# KiCad board panel-main.kicad_pcb (continued)
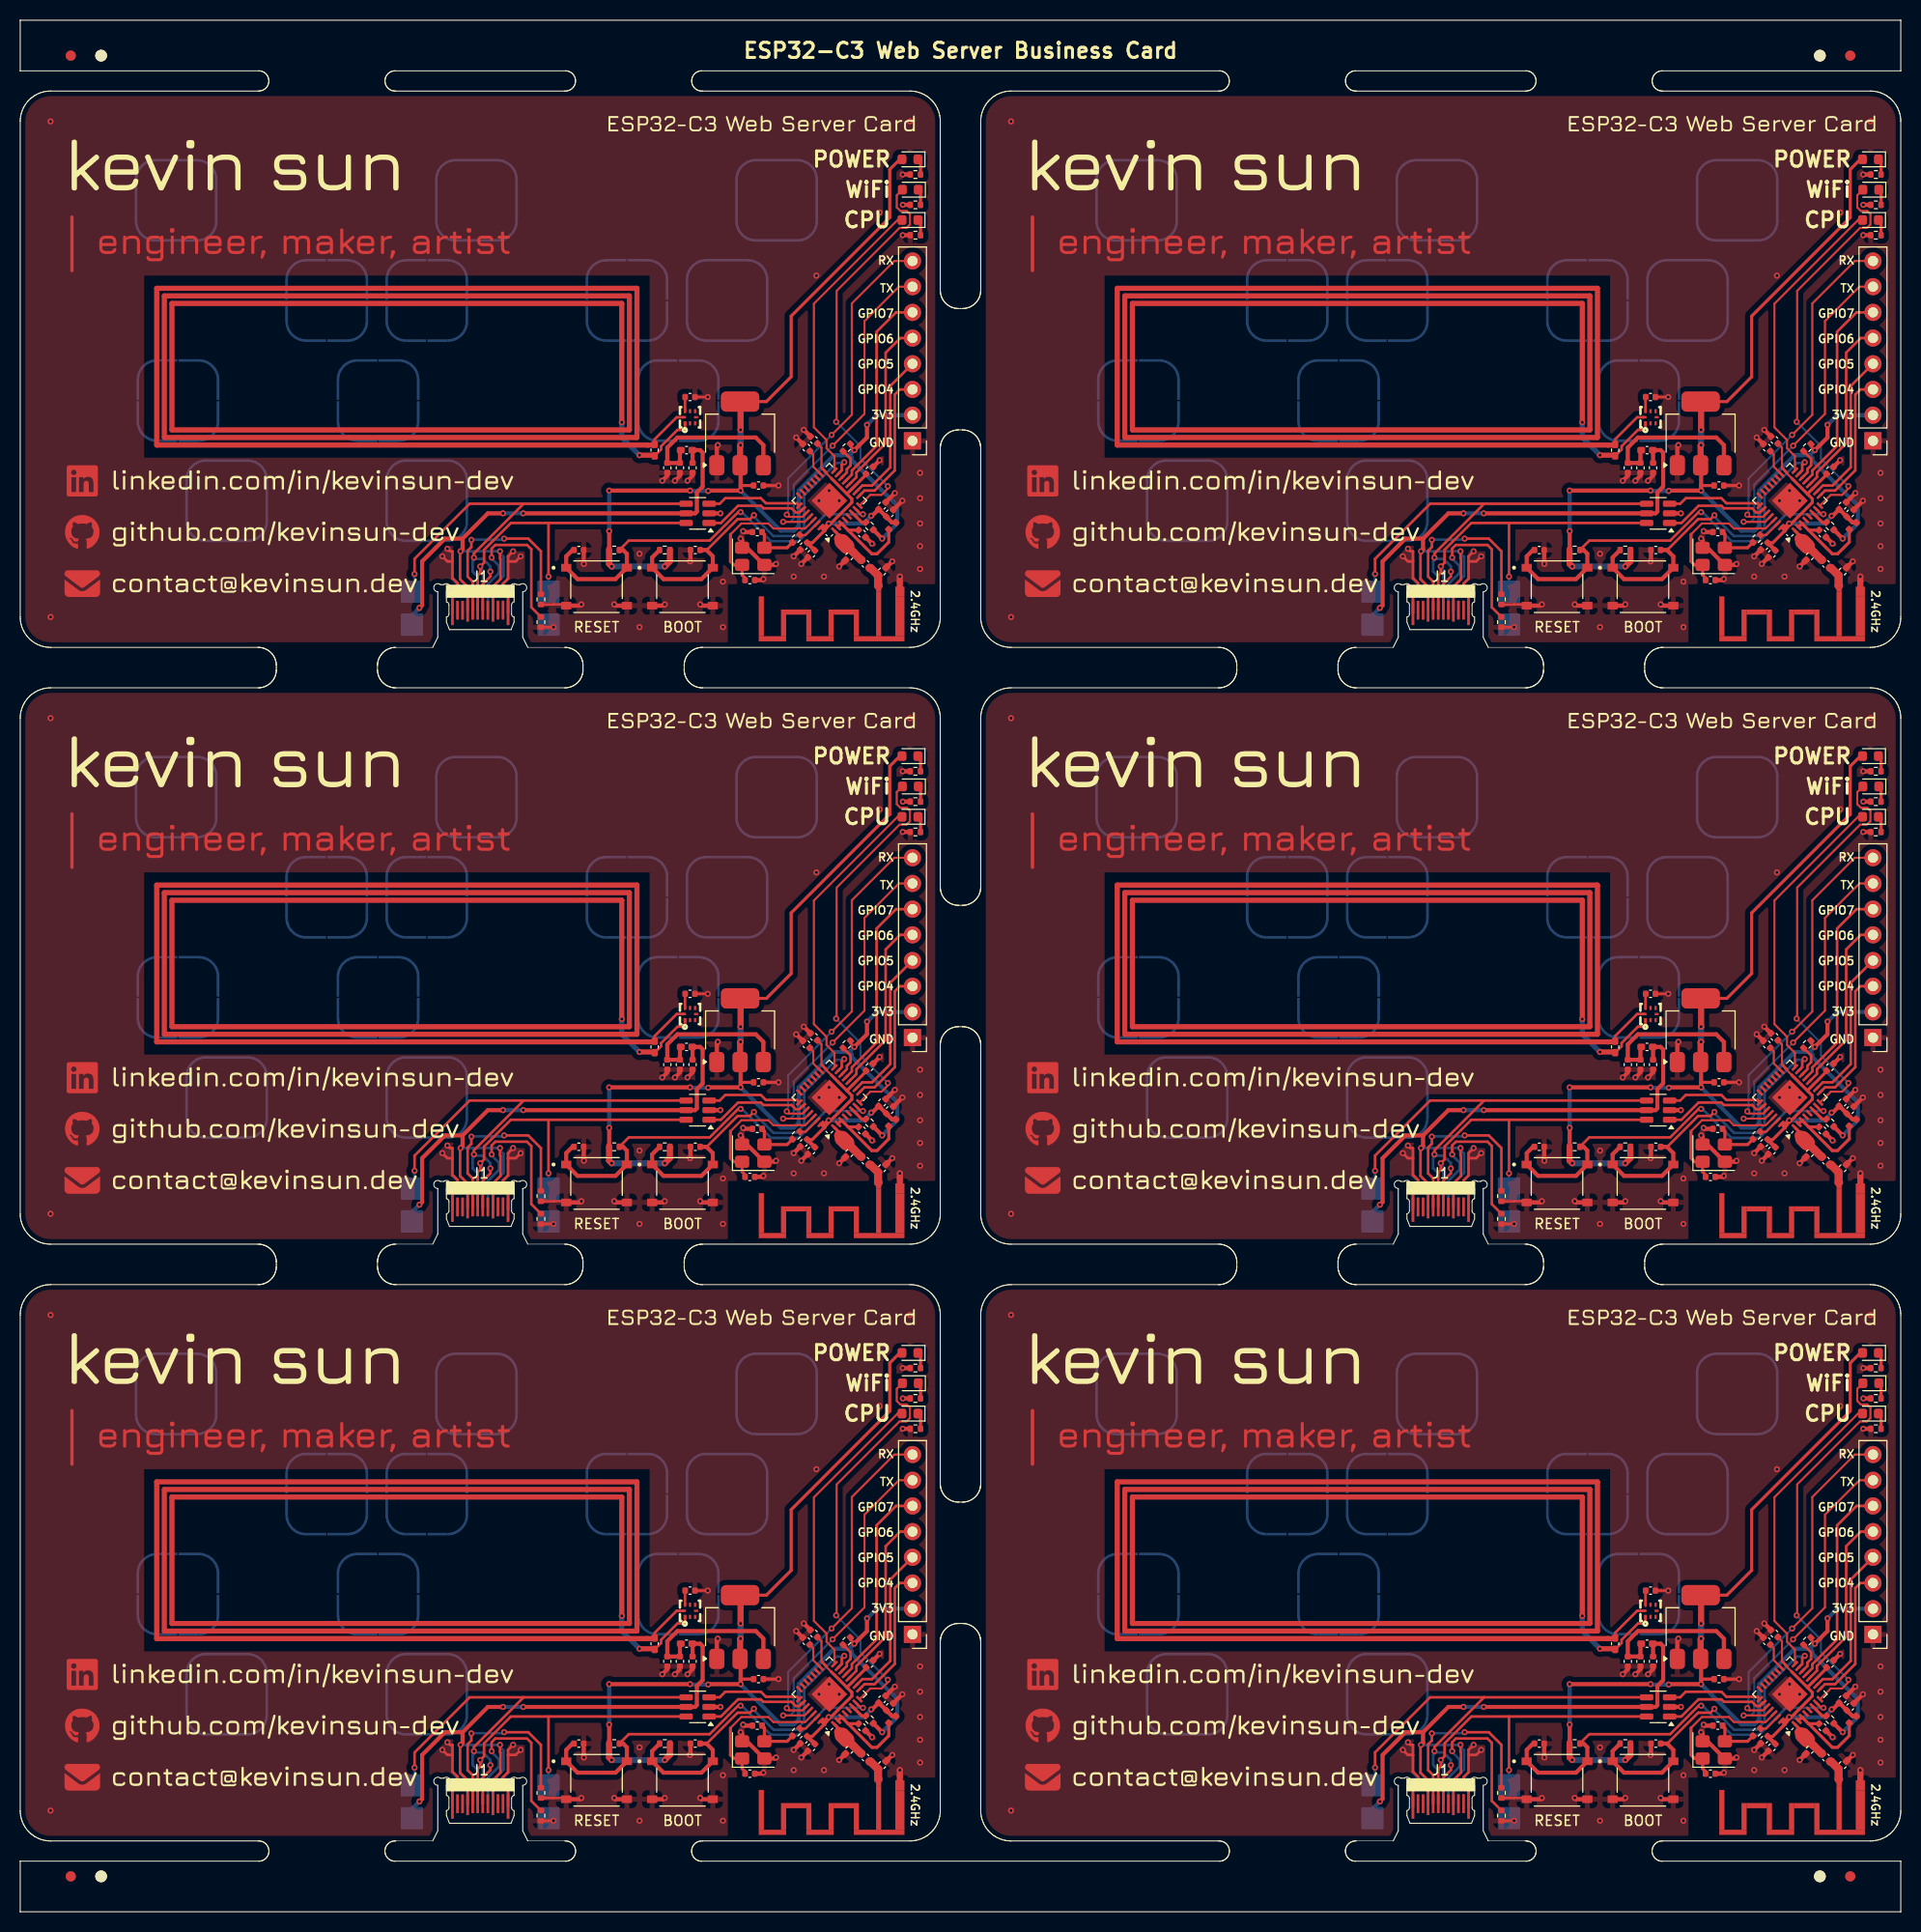
[diagram p0: board, top side]
## Routing (per net, layer and track width the routed paths; a pad name or vN(x,y) marks a point on that pad's centre or on a via; arc(x,y) is an arc through that point) (continued)
  Top w0.6: AE1#5.2 v1(182,73)
  Bottom w0.25: 143.25,74.5 144,74.5 v1(144.5,75) ; 143.25,74.5 143.25,75 v1(143.75,75.5) ; 143.25,74.5 143.25,72.75 142.75,72.25 142.75,71.5 143.25,71 143.25,69.4 ; 137.75,69.4 137.75,69.4 137.75,71 138.5,71.75 138.5,72 137.75,72.75 137.75,74.5 ; 137.75,74.5 137.25,74.5 v1(136.75,75) ; 137.75,74.5 137.75,75.5 137.5,75.5 v1(137.25,75.75)
  vias: v1(98,118) v1(98,69) v1(156.25,75.25) v1(156.25,68) v1(164.5,72.5) v1(164.5,68) v1(171.5,73) v1(173.75,102.75) v1(174,80.5) v1(174.5,73) v1(175,81.5) v1(176,80.5) v1(180,109) v1(183,118) v1(184,83.25) v1(184,80.75) v1(184,78.25) v1(184,76) v1(184,73.75)
Board_3-Net-(AE1-FEED): length 2.2
  Top w0.8: 179.9,72.1 179.85,72.1 C11#3.1 179.1,73.85 L2#6.2
Board_3-Net-(C1-Pad1): length 9.2
  Top w0.3: 176.89,77.59 C1#5.1 ; 176.89,77.59 179.22,75.25 179.75,75.25 180.91,76.41 L1#6.2 ; 176.89,77.59 U1#5.3 U1#5.2
Board_3-Net-(C10-Pad1): length 4.7
  Top w0.3: R5#4.2 170.85,75.85 Y1#2.3 168.6,77.18 C10#6.1
Board_3-Net-(D1-K): length 1.6
  Top w0.3: R8#2.1 184.05,113.99 D1#5.1
Board_3-Net-(D2-K): length 1.6
  Top w0.3: D2.1 184.05,111.03 R9#6.1
Board_3-Net-(D3-K): length 1.6
  Top w0.3: D3#3.1 184.05,107.99 R10#3.1
Board_3-Net-(J1-CC1): length 19
  Top w0.25: v1(139.62,76.63) 139.62,75.92 139.28,75.58 139.28,75.48 139.25,75.46 139.25,73 139.75,72.5 139.75,69.68 ; v1(142.86,76.75) 145.25,76.75 146.5,75.5 R1#4.2
  Bottom w0.25: v1(142.86,76.75) 142.76,76.65 139.64,76.65 v1(139.62,76.63)
Board_3-Net-(J1-CC2): length 18.2
  Top w0.25: v1(141.63,74.88) 141.62,74.88 141.62,75.76 141.99,76.13 145.12,76.13 145.55,75.7 145.55,69.96 R2#3.1
  Bottom w0.25: 141.25,69.68 141.25,72.25 142.35,73.35 142.35,74.07 141.63,74.78 v1(141.63,74.88)
Board_3-Net-(J1-D+-PadA6): length 38.5
  Top w0.25: 147.25,78.3 143.53,78.3 140.88,75.65 140.88,74.38 v1(140.5,74) 140.5,73.38 140.25,73.13 140.25,69.68 ; 147.25,78.3 v1(147.25,73) ; 147.25,78.3 U3#5.6
  Bottom w0.25: v1(147.25,73) 147.25,71.5 ; v1(140.5,74) 140.5,73.88 140.75,73.63 140.75,69.68
Board_3-Net-(J1-D--PadA7): length 51.9
  Top w0.25: 144.79,80.2 139.88,75.29 v1(139.88,74.88) ; 144.79,80.2 139.45,80.2 134,74.75 v1(134,73.25) ; 144.79,80.2 U3#5.4 ; 140.75,69.68 140.75,72.25 141.5,73 v1(141.5,73.49)
  Bottom w0.25: 140.25,69.68 140.25,73 139.75,73.5 139.75,74.5 139.88,74.63 v1(139.88,74.88) 140,74.75 140.76,74.75 141.13,74.38 141.13,74.38 141.5,74.01 v1(141.5,73.49) ; v1(134,73.25) 134,71.75 133.75,71.5
Board_3-Net-(U2-LA): length 371.4
  Top w0.25: C19.1 158.39,85.57 158.39,85.88 160.01,87.5 160.75,87.5 U2#2.1
  Top w0.5: v1(154.5,88.25) 154.5,100 110,100 110,87.5 155.25,87.5 155.25,100.75 109.25,100.75 109.25,86.75 156,86.75 156,101.5 108.5,101.5 108.5,86 157.04,86 157.04,86 157.74,86 ; v1(156.25,85) 157.75,85
  Bottom w0.5: v1(156.25,85) 154.5,86.75 v1(154.5,88.25)
Board_3-Net-(U2-LB): length 4.3
  Top w0.25: C19.2 157.75,86.58 159.92,88.75 U2#2.8
Board_3-Net-(U2-VOUT): length 1.4
  Top w0.25: C20#5.1 160.75,90.73 U2#2.7
Board_3-Net-(U4-VI): length 16.7
  Top w0.4: L3#6.2 160.25,85.42 C14#6.1 C15#6.1 159,85.75 160,86.75 167.75,86.75 168.5,86 U4#2.3 168.75,84.25 ; 168.5,83.21 168.54,83.25
Board_3-unconnected-(U1-SPIHD-Pad19): length 0.1
  Top w0.2: U1#5.19 173.73,82.77
Board_4-+3.3V: length 26.4
  Top w0.2: C6#2.1 79.25,26.75 79.25,24.76 U1#6.17 79.54,24.4 80.22,23.72
  Top w0.3: 81.77,22.17 81.77,22.19 U1#6.11 83.66,24.08 C5#2.1 ; 81.77,22.17 82.25,21.69 82.25,21.32 79.54,18.61 U1#6.32 ; 81.77,22.17 80.22,23.72 ; U1#6.32 78.34,17.34 C7#6.1 ; U1#6.32 U1#6.31
  Top w0.4: v1(79.96,19.24) 79.54,18.82 U1#6.32 ; C8#4.1 C7#6.1 ; L1.1 86.23,19.34 C2#6.1 C3#5.1 84.25,20 v1(84.16,20)
  Bottom w0.4: v1(84.16,20) 84.05,19.9 84.05,19.87 83.42,19.24 v1(79.96,19.24)
Board_4-+3V3: length 109.2
  Top w0.25: R6.2 82.11,26.89 v1(82.5,26.5)
  Top w0.3: D1#2.2 87,55.25 86,54.25 86,49.5 76.25,39.75 76.25,33.75 73.8,31.3 U4#5.2 ; C16#6.1 71.25,23
  Top w0.4: v1(83.75,29) 83.75,27.75 v1(82.5,26.5) ; R3#5.1 58.25,16.64 v1(58.25,18.5) ; U4#5.2 71.25,24.95 v1(71.25,22.5) 68.09,22.5 v1(68.05,22.46) ; v1(66.25,22.5) v1(58.25,22.5) ; R7#2.2 v1(85.25,17.75)
  Top w0.6: U4#5.2 71.25,31.25 v1(71.25,28.5) ; U4#5.2 71.2,26.95 v1(71.25,27) ; R3#5.1 58.24,15.26 v1(58.5,15) ; R4#4.1 64.26,15.51 v1(63.75,15)
  Bottom w0.25: 82.12,26.13 82.12,25.88
  Bottom w0.4: v1(85.25,17.75) 86.75,19.25 86.75,21 82.25,25.5 82.25,25.75 82,26 81.79,26 81.79,26 81.21,26 81.21,26 80.5,26 77,22.5 77,19 76.53,18.53 75.22,18.53 v1(71.25,22.5) ; J2#3.2 84.73,29.96 83.77,29 v1(83.75,29) ; v1(68.05,22.46) 66.29,22.46 v1(66.25,22.5) ; v1(82.5,26.5) 82.12,26.13 ; v1(58.25,22.5) v1(58.25,18.5)
  Bottom w0.6: v1(58.5,15) v1(63.75,15) ; v1(71.25,27) v1(71.25,28.5)
Board_4-/BOOTSEL: length 34.6
  Top w0.25: v1(81.5,25.3) 81.25,25.06 81.25,24.5 U1#6.15 ; C18#4.1 67.9,16.63 70.95,19.68 72.18,19.68 v1(72.57,20.07)
  Top w0.4: C18#4.1 67.88,16.63 68.5,16 SW2#3.1 67.38,13.75 63.62,13.75 SW2#3.1 62.5,15.89 R4#4.2
  Bottom w0.25: v1(72.57,20.07) 72.57,19.94 74.5,18 76.74,18 77.53,18.79 77.53,22.03 80.73,25.24 81.43,25.24 v1(81.5,25.3)
Board_4-/CHIP_EN: length 40.2
  Top w0.25: R3#5.2 60.19,17.56 68.19,17.56 71.01,20.37 v1(71.25,20.37) ; U1#6.7 83.14,20.16 v1(83.35,20.16)
  Top w0.4: R3#5.2 59.62,16.63 60,16.25 SW1#4.1 58.88,13.75 55.12,13.75 SW1#4.1 54,16 54.62,16.63 C17#5.1
  Bottom w0.25: v1(83.35,20.16) 79.66,20.16 77,17.5 74.25,17.5 71.38,20.37 v1(71.25,20.37)
Board_4-/GP2: length 1.7
  Top w0.3: R7#2.1 83.24,19.36 U1#6.6
Board_4-/GP8: length 3.3
  Top w0.25: 81.27,23.77 U1#6.14 81.76,24.3 81.76,24.62 82.13,24.99 82.13,25.65 R6.1
Board_4-/LED_A: length 39.8
  Top w0.2: D2#5.2 86.7,51.7 86.7,50.5 87.05,50.15 87.69,50.15 88,49.84 88,48.82 87.65,48.48 86.97,48.48 80.75,42.25 80.75,29.35 v1(80.7,29.3) ; v1(85.82,22.94) 85.82,22.7 85.19,22.08 84.07,22.08 83.01,21.01 U1#6.8
  Bottom w0.2: v1(85.82,22.94) 83.1,25.65 83.1,26.9 v1(80.7,29.3)
Board_4-/LED_B: length 29.5
  Top w0.2: U1#6.16 80.53,25.91 79.75,26.69 79.75,27.5 78.5,28.75 78.5,40.98 86.78,49.25 D3#2.2
Board_4-/LNA_IN: length 4
  Top w0.3: 81,17.75 81,18.06 U1#6.1
  Top w0.8: 81.8,17 C12#4.1 83.15,15.66 L2#4.1
  Top w1: 81.3,17.45 81,17.75
  Top w1.5: 81.3,17.45 81.75,17
Board_4-/MTCK: length 17.8
  Top w0.25: U1#6.12 82.71,23.83 82.71,24.3 85.6,27.19 85.6,36.14 87.04,37.58 J2#3.5
Board_4-/MTDI: length 15.6
  Top w0.25: J2#3.4 86.05,32.84 86.05,24.8 84.25,23 83.29,23 U1#6.10
Board_4-/MTDO: length 20.4
  Top w0.25: U1#6.13 82.26,24.09 82.26,24.48 84.7,26.93 84.7,38.2 86.62,40.12 J2#3.6
Board_4-/MTMS: length 14
  Top w0.25: U1#6.9 83.5,22.5 84.5,22.5 86.5,24.5 86.5,32 87,32.5 J2#3.3
Board_4-/U0RXD: length 33.7
  Top w0.2: J2#3.8 86.45,45.2 82.25,41 82.25,30 v1(80.25,28) ; v1(75.82,20.13) 76.03,19.91 77.38,19.91 U1#6.27
  Bottom w0.2: v1(80.25,28) 75.94,23.69 75.94,20 v1(75.82,20.13)
Board_4-/U0TXD: length 32.6
  Top w0.2: J2#3.7 86.91,42.66 83.5,39.25 83.5,30.09 v1(80.35,26.94) ; U1#6.28 77.58,19.41 v1(75.46,19.41)
  Bottom w0.2: v1(80.35,26.94) 76.5,23.09 76.5,19.75 76.16,19.41 v1(75.46,19.41)
Board_4-/USB_DN: length 9.5
  Top w0.25: U1#6.25 76.82,21.25 73.75,21.25 73.25,21.75 69.74,21.75 69.19,21.2 U3#6.3
Board_4-/USB_DP: length 10.4
  Top w0.25: U1#6.26 77.38,20.69 77.03,20.34 76.71,20.34 76.29,20.75 73.5,20.75 73.25,21 71,21 69.3,19.3 U3#6.1
Board_4-/XTAL_N: length 14.8
  Top w0.2: 70.25,18.17 71.33,19.25 74,19.25 74.5,18.75 76.87,18.75 76.9,18.78 77.25,18.78 77.28,18.75 77.63,18.75 U1#6.29
  Top w0.3: C9#5.1 71.69,13.86 71.4,14.15 Y1#5.1 70.6,15.15 70.25,15.5 70.25,18.17
Board_4-/XTAL_P: length 2.2
  Top w0.2: U1#6.30 77.7,18.11 R5#6.1
Board_4-GND: length 74.4
  Top w0.25: SW1#4.2 53.88,11.25 52.75,11.25 52.74,11.24 R1#6.1 ; 42.75,15.5 42.75,13.86 43.25,13.36 43.25,12.5 42.75,12 42.75,10.4 ; 42.75,15.5 42.75,16.5 42.5,16.5 v1(42.25,16.75) ; 42.75,15.5 42.25,15.5 v1(41.75,16) ; v1(48.75,16.5) 48.25,16 48.25,15.5 ; 48.25,15.5 49,15.5 v1(49.5,16) ; 48.25,15.5 48.25,13.81 47.75,13.31 47.75,12.5 48.25,12 48.25,10.4 ; R2#2.2 52.24,8.99 52.25,9 v1(52.75,9) ; C20.2 v1(68,31.75)
  Top w0.3: C16#6.2 v1(75,23)
  Top w0.4: v1(69,27) 68.9,26.9 U4#5.1 ; v1(66,23.48) 66.5,23.98 C13#4.2 ; v1(63.5,23.48) 64,23.98 C15#3.2 ; C14#3.2 65.25,23.98 v1(64.75,23.48) ; SW2#3.2 67.38,11.13 v1(67.25,11.25) ; C11#2.2 v1(86.25,15.5) ; R9#5.2 v1(87.3,50.75) ; v1(73.5,13.75) 73.4,13.65 C9#5.2 ; R8#6.2 v1(87.29,53.75) ; R10.2 v1(87.29,47.75) ; C6#2.2 v1(77.5,28.5) ; U3#6.2 v1(69.25,20.25) ; C5#2.2 v1(85,25.5) ; v1(71.25,17.75) 71.4,17.6 Y1#5.4 71.87,16.85 73.57,15.15 Y1#5.2 74.65,15.15 v1(74.75,15.25) ; C2#6.2 v1(87.25,21.5) ; C3#5.2 v1(86.5,22.25) ; C4.2 v1(76.75,27.75) ; C7#6.2 v1(76.5,16) ; C8#4.2 v1(77.25,15.25) ; C12#4.2 v1(81,15) ; v1(63.75,11.25) 63.62,11.13 SW2#3.2 ; C18#4.2 66.29,15.54 v1(66.25,15.5) ; v1(55.5,11.25) 55.38,11.13 SW1#4.2 ; v1(55.75,15.25) 55.73,15.27 C17#5.2 ; C10#4.2 71.6,18.4 v1(71.5,18.5) ; SW1#4.2 58.88,11.13 v1(58.75,11.25) ; C1#4.2 v1(84.25,17.25)
  Top w0.6: AE1#2.2 v1(87,14)
  Bottom w0.25: 42.75,15.5 42.75,16.5 42.5,16.5 v1(42.25,16.75) ; 42.75,15.5 42.25,15.5 v1(41.75,16) ; 42.75,15.5 42.75,13.75 43.5,13 43.5,12.75 42.75,12 42.75,10.4 42.75,10.4 ; 48.25,15.5 48.25,16 v1(48.75,16.5) ; 48.25,15.5 48.25,13.75 47.75,13.25 47.75,12.5 48.25,12 48.25,10.4 ; 48.25,15.5 49,15.5 v1(49.5,16)
  vias: v1(3,59) v1(3,10) v1(61.25,16.25) v1(61.25,9) v1(69.5,13.5) v1(69.5,9) v1(76.5,14) v1(78.75,43.75) v1(79,21.5) v1(79.5,14) v1(80,22.5) v1(81,21.5) v1(85,50) v1(88,59) v1(89,24.25) v1(89,21.75) v1(89,19.25) v1(89,17) v1(89,14.75)
Board_4-Net-(AE1-FEED): length 2.2
  Top w0.8: 84.9,13.1 84.85,13.1 C11#2.1 84.1,14.85 L2#4.2
Board_4-Net-(C1-Pad1): length 9.2
  Top w0.3: L1.2 85.91,17.41 84.75,16.25 84.22,16.25 81.89,18.59 ; 81.89,18.59 U1#6.3 U1#6.2 ; 81.89,18.59 C1#4.1
Board_4-Net-(C10-Pad1): length 4.7
  Top w0.3: R5#6.2 75.85,16.85 Y1#5.3 73.6,18.18 C10#4.1
Board_4-Net-(D1-K): length 1.6
  Top w0.3: R8#6.1 89.05,54.99 D1#2.1
Board_4-Net-(D2-K): length 1.6
  Top w0.3: D2#5.1 89.05,52.03 R9#5.1
Board_4-Net-(D3-K): length 1.6
  Top w0.3: D3#2.1 89.05,48.99 R10.1
Board_4-Net-(J1-CC1): length 19
  Top w0.25: 44.75,10.68 44.75,13.5 44.25,14 44.25,16.46 44.28,16.48 44.28,16.58 44.62,16.92 v1(44.62,17.63) ; v1(47.86,17.75) 50.25,17.75 51.5,16.5 R1#6.2
  Bottom w0.25: v1(44.62,17.63) 44.64,17.65 47.76,17.65 v1(47.86,17.75)
Board_4-Net-(J1-CC2): length 18.2
  Top w0.25: v1(46.63,15.88) 46.62,15.88 46.62,16.76 46.99,17.13 50.12,17.13 50.55,16.7 50.55,10.96 R2#2.1
  Bottom w0.25: 46.25,10.68 46.25,13.25 47.35,14.35 47.35,15.07 46.63,15.78 v1(46.63,15.88)
Board_4-Net-(J1-D+-PadA6): length 38.5
  Top w0.25: 52.25,19.3 U3#6.6 ; 52.25,19.3 48.53,19.3 45.88,16.65 45.88,15.38 v1(45.5,15) 45.5,14.38 45.25,14.13 45.25,10.68 ; 52.25,19.3 v1(52.25,14)
  Bottom w0.25: 45.75,10.68 45.75,14.63 45.5,14.88 v1(45.5,15) ; v1(52.25,14) 52.25,12.5
Board_4-Net-(J1-D--PadA7): length 51.9
  Top w0.25: 49.79,21.2 44.45,21.2 39,15.75 v1(39,14.25) ; 49.79,21.2 U3#6.4 ; 49.79,21.2 44.88,16.29 v1(44.88,15.88) ; 45.75,10.68 45.75,13.25 46.5,14 v1(46.5,14.49)
  Bottom w0.25: v1(39,14.25) 39,12.75 38.75,12.5 ; 45.25,10.68 45.25,14 44.75,14.5 44.75,15.5 44.88,15.63 v1(44.88,15.88) 45,15.75 45.76,15.75 46.13,15.38 46.13,15.38 46.5,15.01 v1(46.5,14.49)
Board_4-Net-(U2-LA): length 371.4
  Top w0.25: C19#6.1 63.39,26.57 63.39,26.88 65.01,28.5 65.75,28.5 U2#6.1
  Top w0.5: 62.74,27 62.04,27 62.04,27 13.5,27 13.5,42.5 61,42.5 61,27.75 14.25,27.75 14.25,41.75 60.25,41.75 60.25,28.5 15,28.5 15,41 59.5,41 v1(59.5,29.25) ; v1(61.25,26) 62.75,26
  Bottom w0.5: v1(59.5,29.25) 59.5,27.75 v1(61.25,26)
Board_4-Net-(U2-LB): length 4.3
  Top w0.25: C19#6.2 62.75,27.58 64.92,29.75 U2#6.8
Board_4-Net-(U2-VOUT): length 1.4
  Top w0.25: C20.1 65.75,31.73 U2#6.7
Board_4-Net-(U4-VI): length 16.7
  Top w0.4: 73.75,25.25 U4#5.3 73.5,27 72.75,27.75 65,27.75 64,26.75 C15#3.1 C14#3.1 65.25,26.42 L3#3.2 ; 73.5,24.21 73.54,24.25
Board_4-unconnected-(U1-SPIHD-Pad19): length 0.1
  Top w0.2: U1#6.19 78.73,23.77
Board_5-+3.3V: length 26.4
  Top w0.2: C6.1 174.25,26.75 174.25,24.76 U1#4.17 174.54,24.4 175.22,23.72
  Top w0.3: 176.77,22.17 175.22,23.72 ; 176.77,22.17 177.25,21.69 177.25,21.32 174.54,18.61 U1#4.32 ; 176.77,22.17 176.77,22.19 U1#4.11 178.66,24.08 C5#3.1 ; C7.1 173.34,17.34 U1#4.32 ; U1#4.32 U1#4.31
  Top w0.4: C8#3.1 C7.1 ; v1(179.16,20) 179.25,20 C3#3.1 C2#5.1 181.23,19.34 L1#3.1 ; U1#4.32 174.54,18.82 v1(174.96,19.24)
  Bottom w0.4: v1(174.96,19.24) 178.42,19.24 179.05,19.87 179.05,19.9 v1(179.16,20)
Board_5-+3V3: length 109.2
  Top w0.25: R6#2.2 177.11,26.89 v1(177.5,26.5)
  Top w0.3: U4#4.2 168.8,31.3 171.25,33.75 171.25,39.75 181,49.5 181,54.25 182,55.25 D1#6.2 ; C16#2.1 166.25,23
  Top w0.4: R3#4.1 153.25,16.64 v1(153.25,18.5) ; v1(163.05,22.46) 163.09,22.5 v1(166.25,22.5) 166.25,24.95 U4#4.2 ; R7#6.2 v1(180.25,17.75) ; v1(161.25,22.5) v1(153.25,22.5) ; v1(178.75,29) 178.75,27.75 v1(177.5,26.5)
  Top w0.6: v1(166.25,28.5) 166.25,31.25 U4#4.2 ; R3#4.1 153.24,15.26 v1(153.5,15) ; v1(158.75,15) 159.26,15.51 R4#3.1 ; v1(166.25,27) 166.2,26.95 U4#4.2
  Bottom w0.25: 177.12,26.13 177.12,25.88
  Bottom w0.4: J2.2 179.73,29.96 178.77,29 v1(178.75,29) ; v1(166.25,22.5) 170.22,18.53 171.53,18.53 172,19 172,22.5 175.5,26 176.21,26 176.21,26 176.79,26 176.79,26 177,26 177.25,25.75 177.25,25.5 181.75,21 181.75,19.25 v1(180.25,17.75) ; v1(161.25,22.5) 161.29,22.46 v1(163.05,22.46) ; v1(153.25,22.5) v1(153.25,18.5) ; v1(177.5,26.5) 177.12,26.13
  Bottom w0.6: v1(153.5,15) v1(158.75,15) ; v1(166.25,27) v1(166.25,28.5)
Board_5-/BOOTSEL: length 34.6
  Top w0.25: v1(167.57,20.07) 167.18,19.68 165.95,19.68 162.9,16.63 C18#5.1 ; v1(176.5,25.3) 176.25,25.06 176.25,24.5 U1#4.15
  Top w0.4: C18#5.1 162.88,16.63 163.5,16 SW2.1 162.38,13.75 158.62,13.75 SW2.1 157.5,15.89 R4#3.2
  Bottom w0.25: v1(167.57,20.07) 167.57,19.94 169.5,18 171.74,18 172.53,18.79 172.53,22.03 175.73,25.24 176.43,25.24 v1(176.5,25.3)
Board_5-/CHIP_EN: length 40.2
  Top w0.25: U1#4.7 178.14,20.16 v1(178.35,20.16) ; v1(166.25,20.37) 166.01,20.37 163.19,17.56 155.19,17.56 R3#4.2
  Top w0.4: R3#4.2 154.62,16.63 155,16.25 SW1#5.1 153.88,13.75 150.12,13.75 SW1#5.1 149,16 149.62,16.63 C17#4.1
  Bottom w0.25: v1(178.35,20.16) 174.66,20.16 172,17.5 169.25,17.5 166.38,20.37 v1(166.25,20.37)
Board_5-/GP2: length 1.7
  Top w0.3: U1#4.6 178.24,19.36 R7#6.1
Board_5-/GP8: length 3.3
  Top w0.25: 176.27,23.77 U1#4.14 176.76,24.3 176.76,24.62 177.13,24.99 177.13,25.65 R6#2.1
Board_5-/LED_A: length 39.8
  Top w0.2: v1(175.7,29.3) 175.75,29.35 175.75,42.25 181.97,48.48 182.65,48.48 183,48.82 183,49.84 182.69,50.15 182.05,50.15 181.7,50.5 181.7,51.7 D2#3.2 ; v1(180.82,22.94) 180.82,22.7 180.19,22.08 179.07,22.08 178.01,21.01 U1#4.8
  Bottom w0.2: v1(180.82,22.94) 178.1,25.65 178.1,26.9 v1(175.7,29.3)
Board_5-/LED_B: length 29.5
  Top w0.2: U1#4.16 175.53,25.91 174.75,26.69 174.75,27.5 173.5,28.75 173.5,40.98 181.78,49.25 D3#4.2
Board_5-/LNA_IN: length 4
  Top w0.3: 176,17.75 176,18.06 U1#4.1
  Top w0.8: 176.8,17 C12#2.1 178.15,15.66 L2#3.1
  Top w1: 176.3,17.45 176,17.75
  Top w1.5: 176.3,17.45 176.75,17
Board_5-/MTCK: length 17.8
  Top w0.25: J2.5 182.04,37.58 180.6,36.14 180.6,27.19 177.71,24.3 177.71,23.83 U1#4.12
Board_5-/MTDI: length 15.6
  Top w0.25: J2.4 181.05,32.84 181.05,24.8 179.25,23 178.29,23 U1#4.10
Board_5-/MTDO: length 20.4
  Top w0.25: U1#4.13 177.26,24.09 177.26,24.48 179.7,26.93 179.7,38.2 181.62,40.12 J2.6
Board_5-/MTMS: length 14
  Top w0.25: J2.3 182,32.5 181.5,32 181.5,24.5 179.5,22.5 178.5,22.5 U1#4.9
Board_5-/U0RXD: length 33.7
  Top w0.2: J2.8 181.45,45.2 177.25,41 177.25,30 v1(175.25,28) ; U1#4.27 172.38,19.91 171.03,19.91 v1(170.82,20.13)
  Bottom w0.2: v1(170.82,20.13) 170.94,20 170.94,23.69 v1(175.25,28)
Board_5-/U0TXD: length 32.6
  Top w0.2: U1#4.28 172.58,19.41 v1(170.46,19.41) ; J2.7 181.91,42.66 178.5,39.25 178.5,30.09 v1(175.35,26.94)
  Bottom w0.2: v1(170.46,19.41) 171.16,19.41 171.5,19.75 171.5,23.09 v1(175.35,26.94)
Board_5-/USB_DN: length 9.5
  Top w0.25: U1#4.25 171.82,21.25 168.75,21.25 168.25,21.75 164.74,21.75 164.19,21.2 U3#2.3
Board_5-/USB_DP: length 10.4
  Top w0.25: U1#4.26 172.38,20.69 172.03,20.34 171.71,20.34 171.29,20.75 168.5,20.75 168.25,21 166,21 164.3,19.3 U3#2.1
Board_5-/XTAL_N: length 14.8
  Top w0.2: 165.25,18.17 166.33,19.25 169,19.25 169.5,18.75 171.87,18.75 171.9,18.78 172.25,18.78 172.28,18.75 172.63,18.75 U1#4.29
  Top w0.3: C9#3.1 166.69,13.86 166.4,14.15 Y1.1 165.6,15.15 165.25,15.5 165.25,18.17
Board_5-/XTAL_P: length 2.2
  Top w0.2: U1#4.30 172.7,18.11 R5#5.1
Board_5-GND: length 74.4
  Top w0.25: v1(147.75,9) 147.25,9 147.24,8.99 R2#4.2 ; 143.25,15.5 143.25,13.81 142.75,13.31 142.75,12.5 143.25,12 143.25,10.4 ; 143.25,15.5 143.25,16 v1(143.75,16.5) ; 143.25,15.5 144,15.5 v1(144.5,16) ; R1#2.1 147.74,11.24 147.75,11.25 148.88,11.25 SW1#5.2 ; 137.75,15.5 137.25,15.5 v1(136.75,16) ; 137.75,15.5 137.75,13.86 138.25,13.36 138.25,12.5 137.75,12 137.75,10.4 ; 137.75,15.5 137.75,16.5 137.5,16.5 v1(137.25,16.75) ; C20#3.2 v1(163,31.75)
  Top w0.3: C16#2.2 v1(170,23)
  Top w0.4: C5#3.2 v1(180,25.5) ; C14#5.2 160.25,23.98 v1(159.75,23.48) ; C11#4.2 v1(181.25,15.5) ; R8.2 v1(182.29,53.75) ; v1(150.5,11.25) 150.38,11.13 SW1#5.2 ; C7.2 v1(171.5,16) ; v1(150.75,15.25) 150.73,15.27 C17#4.2 ; C15.2 159,23.98 v1(158.5,23.48) ; U4#4.1 163.9,26.9 v1(164,27) ; C2#5.2 v1(182.25,21.5) ; R9#3.2 v1(182.3,50.75) ; v1(169.75,15.25) 169.65,15.15 Y1.2 168.57,15.15 166.87,16.85 Y1.4 166.4,17.6 v1(166.25,17.75) ; C1.2 v1(179.25,17.25) ; v1(161.25,15.5) 161.29,15.54 C18#5.2 ; SW1#5.2 153.88,11.13 v1(153.75,11.25) ; C3#3.2 v1(181.5,22.25) ; C6.2 v1(172.5,28.5) ; v1(158.75,11.25) 158.62,11.13 SW2.2 ; v1(168.5,13.75) 168.4,13.65 C9#3.2 ; U3#2.2 v1(164.25,20.25) ; C12#2.2 v1(176,15) ; C13.2 161.5,23.98 v1(161,23.48) ; v1(162.25,11.25) 162.38,11.13 SW2.2 ; C4#5.2 v1(171.75,27.75) ; C8#3.2 v1(172.25,15.25) ; R10#6.2 v1(182.29,47.75) ; C10#5.2 166.6,18.4 v1(166.5,18.5)
  Top w0.6: AE1#6.2 v1(182,14)
  Bottom w0.25: 137.75,15.5 137.75,13.75 138.5,13 138.5,12.75 137.75,12 137.75,10.4 137.75,10.4 ; 137.75,15.5 137.25,15.5 v1(136.75,16) ; 137.75,15.5 137.75,16.5 137.5,16.5 v1(137.25,16.75) ; v1(144.5,16) 144,15.5 143.25,15.5 ; v1(143.75,16.5) 143.25,16 143.25,15.5 ; 143.25,10.4 143.25,12 142.75,12.5 142.75,13.25 143.25,13.75 143.25,15.5
  vias: v1(98,59) v1(98,10) v1(156.25,16.25) v1(156.25,9) v1(164.5,13.5) v1(164.5,9) v1(171.5,14) v1(173.75,43.75) v1(174,21.5) v1(174.5,14) v1(175,22.5) v1(176,21.5) v1(180,50) v1(183,59) v1(184,24.25) v1(184,21.75) v1(184,19.25) v1(184,17) v1(184,14.75)
Board_5-Net-(AE1-FEED): length 2.2
  Top w0.8: L2#3.2 179.1,14.85 C11#4.1 179.85,13.1 179.9,13.1
Board_5-Net-(C1-Pad1): length 9.2
  Top w0.3: 176.89,18.59 179.22,16.25 179.75,16.25 180.91,17.41 L1#3.2 ; 176.89,18.59 C1.1 ; 176.89,18.59 U1#4.3 U1#4.2
Board_5-Net-(C10-Pad1): length 4.7
  Top w0.3: R5#5.2 170.85,16.85 Y1.3 168.6,18.18 C10#5.1
Board_5-Net-(D1-K): length 1.6
  Top w0.3: D1#6.1 184.05,54.99 R8.1
Board_5-Net-(D2-K): length 1.6
  Top w0.3: D2#3.1 184.05,52.03 R9#3.1
Board_5-Net-(D3-K): length 1.6
  Top w0.3: R10#6.1 184.05,48.99 D3#4.1
Board_5-Net-(J1-CC1): length 19
  Top w0.25: v1(139.62,17.63) 139.62,16.92 139.28,16.58 139.28,16.48 139.25,16.46 139.25,14 139.75,13.5 139.75,10.68 ; v1(142.86,17.75) 145.25,17.75 146.5,16.5 R1#2.2
  Bottom w0.25: v1(142.86,17.75) 142.76,17.65 139.64,17.65 v1(139.62,17.63)
Board_5-Net-(J1-CC2): length 18.2
  Top w0.25: v1(141.63,15.88) 141.62,15.88 141.62,16.76 141.99,17.13 145.12,17.13 145.55,16.7 145.55,10.96 R2#4.1
  Bottom w0.25: v1(141.63,15.88) 141.63,15.78 142.35,15.07 142.35,14.35 141.25,13.25 141.25,10.68
Board_5-Net-(J1-D+-PadA6): length 38.5
  Top w0.25: 147.25,19.3 143.53,19.3 140.88,16.65 140.88,15.38 v1(140.5,15) 140.5,14.38 140.25,14.13 140.25,10.68 ; 147.25,19.3 v1(147.25,14) ; 147.25,19.3 U3#2.6
  Bottom w0.25: v1(147.25,14) 147.25,12.5 ; v1(140.5,15) 140.5,14.88 140.75,14.63 140.75,10.68
Board_5-Net-(J1-D--PadA7): length 51.9
  Top w0.25: v1(134,14.25) 134,15.75 139.45,21.2 144.79,21.2 ; 144.79,21.2 139.88,16.29 v1(139.88,15.88) ; 144.79,21.2 U3#2.4 ; 140.75,10.68 140.75,13.25 141.5,14 v1(141.5,14.49)
  Bottom w0.25: 140.25,10.68 140.25,14 139.75,14.5 139.75,15.5 139.88,15.63 v1(139.88,15.88) 140,15.75 140.76,15.75 141.13,15.38 141.13,15.38 141.5,15.01 v1(141.5,14.49) ; 133.75,12.5 134,12.75 v1(134,14.25)
Board_5-Net-(U2-LA): length 371.4
  Top w0.25: U2#3.1 160.75,28.5 160.01,28.5 158.39,26.88 158.39,26.57 C19#2.1
  Top w0.5: 157.74,27 157.04,27 157.04,27 108.5,27 108.5,42.5 156,42.5 156,27.75 109.25,27.75 109.25,41.75 155.25,41.75 155.25,28.5 110,28.5 110,41 154.5,41 v1(154.5,29.25) ; v1(156.25,26) 157.75,26
  Bottom w0.5: v1(156.25,26) 154.5,27.75 v1(154.5,29.25)
Board_5-Net-(U2-LB): length 4.3
  Top w0.25: U2#3.8 159.92,29.75 157.75,27.58 C19#2.2
Board_5-Net-(U2-VOUT): length 1.4
  Top w0.25: C20#3.1 160.75,31.73 U2#3.7
Board_5-Net-(U4-VI): length 16.7
  Top w0.4: 168.75,25.25 U4#4.3 168.5,27 167.75,27.75 160,27.75 159,26.75 C15.1 C14#5.1 160.25,26.42 L3#4.2 ; 168.5,24.21 168.54,24.25
Board_5-unconnected-(U1-SPIHD-Pad19): length 0.1
  Top w0.2: U1#4.19 173.73,23.77

## Copper pours and planes (outline as drawn; the poured copper is in the pictures)
Board_0-GND on Top, Bottom: -0.5,180.5 91.5,180.5 91.5,131.25 70,131.25 70,124.25 -0.5,124.25
Board_1-GND on Top, Bottom: 94.5,180.5 186.5,180.5 186.5,131.25 165,131.25 165,124.25 94.5,124.25
Board_2-GND on Top, Bottom: -0.5,121.5 91.5,121.5 91.5,72.25 70,72.25 70,65.25 -0.5,65.25
Board_3-GND on Top, Bottom: 94.5,121.5 186.5,121.5 186.5,72.25 165,72.25 165,65.25 94.5,65.25
Board_4-GND on Top, Bottom: -0.5,62.5 91.5,62.5 91.5,13.25 70,13.25 70,6.25 -0.5,6.25
Board_5-GND on Top, Bottom: 94.5,62.5 186.5,62.5 186.5,13.25 165,13.25 165,6.25 94.5,6.25

## Text on the board
B.Silkscreen: D- | VBUS | D+ | GND
User.Comments: V-CUT
F.Silkscreen: RX | TX | GPIO7 | GPIO6 | GPIO5 | GPIO4 | 3V3 | GND | 2.4GHz | RESET | BOOT | ESP32-C3 Web Server Business Card | POWER | WiFi | CPU
